# Altium PCB Radio(ESP).PcbDoc (part 2 of 2)
Units mil, origin at the board's own origin, x right, y up, seen from the top; angles counter-clockwise.
Board outline 3937.01 x 1992 mil, 2 copper layers (Top Layer, Bottom Layer); 145 components, 164 nets, 763 pads, 175 vias.
Unrouted connection lines stored in the file: 20.
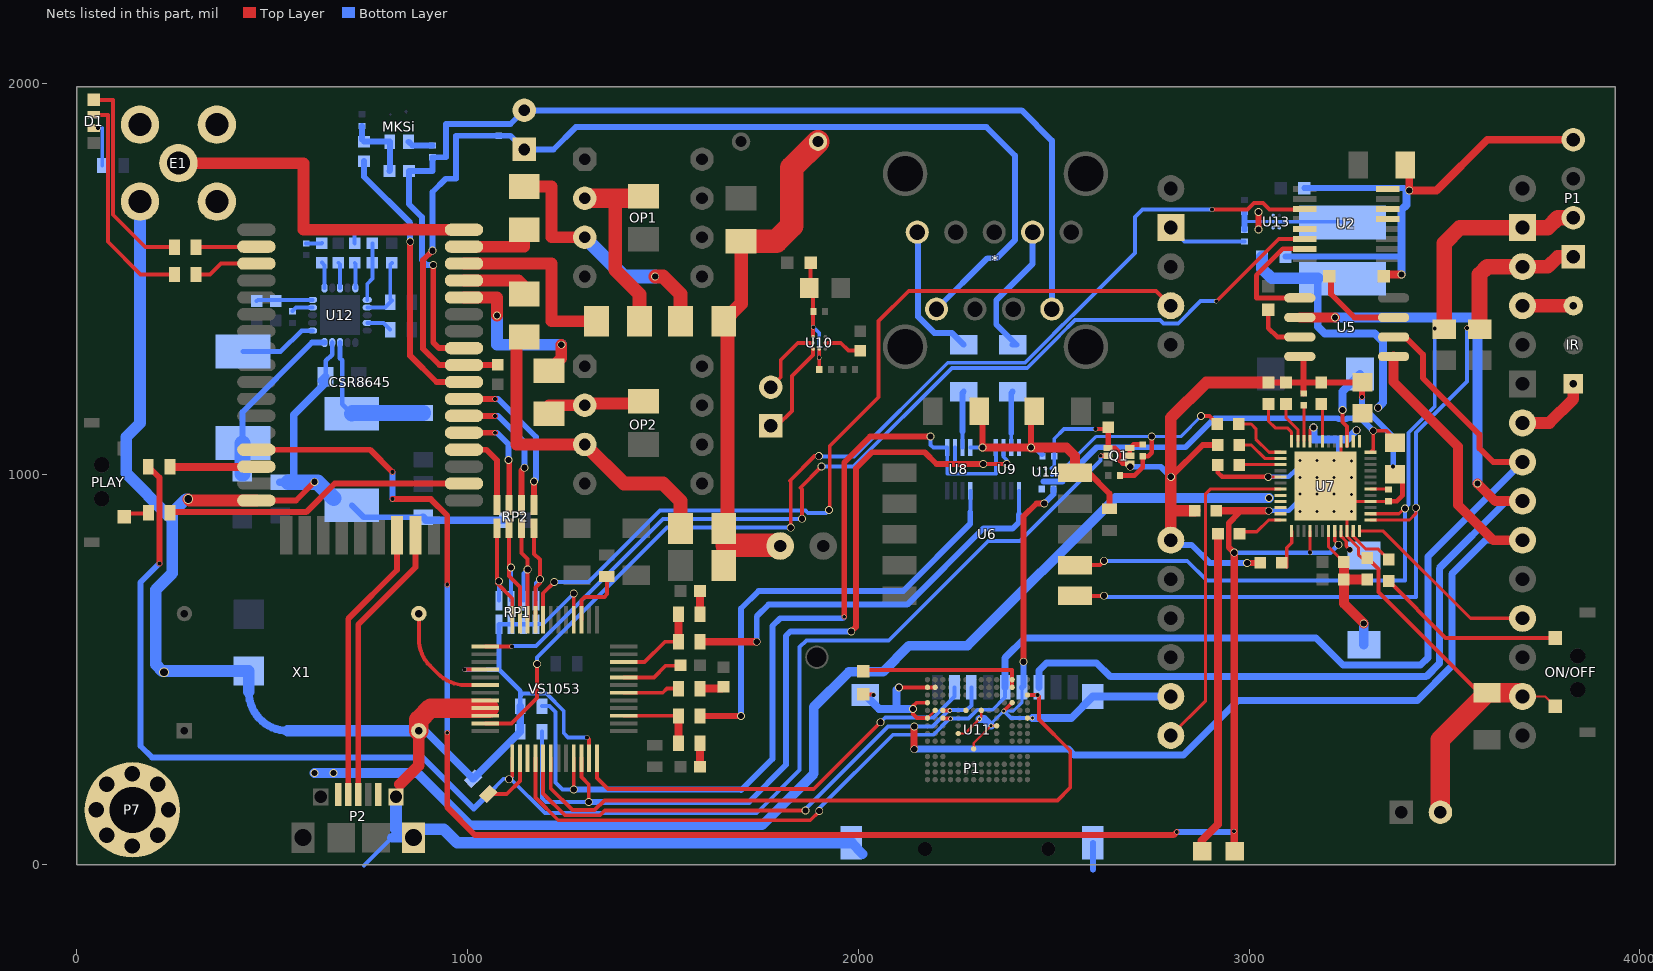
[diagram p2: the nets of this part, all layers, seen from the top]

## Via types
v1: diameter 20, hole 16, Top Layer to Bottom Layer, 108 vias
v2: diameter 12, hole 10, Top Layer to Bottom Layer, 35 vias
v3: diameter 19.68, hole 7.87, Top Layer to Bottom Layer, 20 vias
v4: diameter 12, hole 8, Top Layer to Bottom Layer, 6 vias
v5: diameter 25, hole 20, Top Layer to Bottom Layer, 2 vias
v6: diameter 14, hole 10, Top Layer to Bottom Layer, 1 vias
v7: diameter 16, hole 14, Top Layer to Bottom Layer, 1 vias
v8: diameter 18, hole 15, Top Layer to Bottom Layer, 1 vias
v9: diameter 78.74, hole 78.74, Top Layer to Bottom Layer, 1 vias

## Nets (pads, with @x,y where several pads share a name; then routed paths per layer and width w, separated by ;. In a path a pad name is that pad's centre, name@x,y a point inside that pad or via, vN(x,y) a via of type N, cw(c..) or ccw(c..) an arc to the next point about the centre after c; other vN are vias at no path point) (continued)
GBUF: R36.1 VS1053.42 | length 144.6
  Top Layer w10: VS1053.42@1399.75,440.51 1499.51,440.51 1510,451 R36.1@1540,451
GND: B1.2 C11.1 C14.2 C15.2 C16.1 C17.1 C31.2 C72.1 C73.1 C74.1 C75.1 C76.2 C77.1 C78.1 C79.1 C80.1 Cin1.2 Cout1.2 Cout2.1 CSR8645.17 E1.2 IR.1 L2.2 ON/OFF.1 P1.4@3830,1856 P1.6 P1.G1 P1.G2 P1.G3 P1.G4 P2.0@816.68,173.89 P2.0@861.96,69.56 P2.5 P7.1 pad.2 pad.10 pad.14 pad.17 pad.24 Q1.1 Q1.4 R4.1 R5.1 R6.1 R7.1 R8.1 R30.1 R71.2 R73.1 R74.2 R75.1 R76.2 RP1.1 RP1.2 RP1.3 RP1.4 U2.5 U2.6 U2.8 U5.4 U7.4 U7.16 U7.46 U7.49 U11.A6 U11.C4 U11.E7 U11.G5 U11.H10 U11.J5 U11.K8 U11.N2 U11.N5 U11.P2 U11.P4 U11.P6 U12.19 U13.A2 U14.C1 VS1053.4 VS1053.16 VS1053.20 VS1053.21 VS1053.22 VS1053.35 X1.2 | length 14161.2
  Top Layer w6: U11.P6@2177.05,375.53 U11.N5@2196.73,395.21 ; U11.K8@2255.79,336.16 2272.74,336.16 v4(2310,373.42) 2314.84,378.26 U11.G5@2314.84,395.21 ; U11.H10@2295.16,296.79 2295.16,311.16 v4(2339.84,355.84) U11.E7@2354.21,355.84 ; U11.A6@2432.95,375.53 v4(2445.47,375.53) ; pad.17@3700,431 3758.36,431 ON/OFF.1@3783.68,405.68
  Top Layer w8: U7.16@3235.2,1084.51 3235.2,1008.72 v3(3217.48,991) U7.49@3195.83,969.35 3216.17,949 v3(3217,949) 3217,948.17 U7.49@3235.2,929.98 ; C72.1@3302.97,785.35 3288.65,785.35 3280,794 3280,812.01 3250.94,841.07 U7.46@3250.94,854.19 3250.94,914.23 U7.49@3235.2,929.98 ; R76.2@3356.83,930.73 3356.07,929.98 U7.4@3310.98,929.98 U7.49@3235.2,929.98
  Top Layer w10: v2(992.44,499.56) VS1053.16@1045.41,499.56 ; VS1053.4@1271.79,627.52 v1(1271.79,694.21) ; v2(1306,326) 1311.16,320.84 VS1053.35@1311.16,273.19 ; C11.1@2013,436 v2@2037,436 ; v1(2104,454) 2176.78,454 U11.P2@2177.05,454.27 U11.N2@2196.73,454.27 ; U11.P6@2177.05,375.53 2150.47,375.53 2140,386 v1(2140,399) 2140,406 2148.9,414.9 U11.P4@2177.05,414.9 ; v4(2372.34,393.66) U11.C4@2393.58,414.9 ; v2(2607,1115) 2634.65,1115 R75.1@2639.65,1120 ; C72.1@3302.97,785.35 3331.32,757 3331.32,698.68 3590,440 C15.2@3609,440
  Top Layer w12: Q1.4@2639.39,1066.63 2657.6,1066.63 2668.27,1055.96 2668.27,1035.29 2676.3,1027.26 Q1.1@2694.51,1027.26 ; R76.2@3356.83,930.73 3378.67,930.73 3392.68,944.74 3392.68,990.59 C77.1@3373.3,1009.97
  Top Layer w15: CSR8645.17@459.25,932.59 560.65,932.59 v1(608.23,980.17) ; v1(2423,520) 2423,892 2456,925 v1(2476,925) ; Q1.4@2639.39,1067.73 2639.65,1067.99 R75.1@2639.65,1120 ; v1(2800,993) 2881.51,1074.51 C73.1@2919.83,1074.51 ; v1(2995.19,772.81) R73.1@3028.79,772.81 ; C75.1@3049.83,1234.35 R71.2@3094.83,1234.35 3139.83,1234.35 ; U5.4@3130,1301 3139.83,1291.17 3139.83,1234.35 ; R74.2@3139.83,1206.31 3139.83,1234.35 ; v2(3289,1197) 3289,1234.17 3288.83,1234.35 C76.2@3184.83,1234.35 3139.83,1234.35
  Top Layer w20: R5.1@3345,1506 3350,1511 v1(3390,1511) ; C14.2@3400,1791 3410,1781 v1(3410,1726) 3480,1726 3610,1856 P1.4@3830,1856
  Top Layer w30: v5(285,936) 288.41,932.59 CSR8645.17@459.25,932.59 ; 827,206 875.18,254.18 X1.2@875.18,343 ; pad.10@2800,831 2800,907 ; C74.1@2860.83,906.35 2800.65,906.35 2800,907 ; C75.1@3049.83,1234.35 2890.35,1234.35 2800,1144 v1(2800,993) 2800,907 ; pad.24@3700,1131 3768.9,1131 3830,1192.1 IR.1@3830,1231
  Top Layer w50: X1.2@875.18,343 875.18,371.18 905.14,401.14 VS1053.21@1045.41,401.14 VS1053.21@1056,401.14 ; B1.2@3488.91,133.4 3488.91,319.91 C15.2@3609,440 3691,440 pad.17@3700,431
  Bottom Layer w8: v4@2337.18,358.5 v4(2372.34,393.66) 2396.66,393.66 2419.16,416.16 P1.6@2419.16,454.31
  Bottom Layer w10: 735,-2 806.56,69.56 ; 1135,431 1142,438 1202,438 1246,394 1246,337 1257,326 v2(1306,326) ; RP1.1@1175,616 1193.58,616 v1(1271.79,694.21) ; v4@2373.5,392.5 2390.47,375.53 v4(2445.47,375.53) ; U14.C1@2494.89,1013.93 2501.43,1020.46 C80.1@2501.43,1045.52 2501.43,1090.43 2526,1115 v2(2607,1115) ; pad.2@2800,1631 2835.37,1595.63 R4.1@2988.29,1595.63
  Bottom Layer w12: Cin1.2@637.24,1234.24 637.24,1289.7 653.54,1306 U12.19@653.54,1336.77 ; v2(992.44,499.56) 1080.51,499.56 ; R6.1@1135,406 1135,431 1135,445.08 1080.51,499.56 ; RP1.1@1175,616 RP1.2@1143,616 RP1.3@1111.49,616 RP1.4@1080.51,616 1080.51,499.56
  Bottom Layer w15: L2.2@703.33,920.13 733.84,889.62 Cout2.1@886.2,889.62 ; P1.6@2419.16,454.31 2423,458.15 v1(2423,520) ; v1(2476,925) 2499.46,948.46 C79.1@2499.46,962.1 ; 2600.27,-11.73 P1.G2@2600.27,56.68 ; v1(2696,1019) 2774,1019 v1(2800,993) ; pad.10@2800,831 2812,819 2853,819 2899.19,772.81 v1(2995.19,772.81) ; C16.1@3093.3,1556.69 3387.69,1556.69 3390,1559 ; C17.1@3141.51,1731.92 3397.08,1731.92 v1@3403,1726 ; v2(3289,1197) 3289,1175 3369,1095 v2(3369,1019.22)
  Bottom Layer w20: 440,443 ccw(c540,443) 540,343 ; Cout1.2@520.02,979.11 541.22,979.11 555.08,992.97 555.08,1152.08 Cin1.2@637.24,1234.24 ; Cin1.2@625.89,1239 Cin1.2@636.24,1249.35 ; X1.2@875.18,343 891.54,343 R8.1@1014.11,220.44 1134.67,341 R7.1@1135,341 R6.1@1135,406 ; Cout2.1@886.2,889.62 893.82,882 R30.1@1094,882 ; P1.G4@2017.59,434.63 2053.22,399 2098,399 ; v1(2104,454) 2098,448 2098,399 ; v1(2140,399) 2098,399 ; v4(2310,373.42) 2322.26,373.42 2337.18,358.5 v4(2339.84,355.84) ; v4(2445.47,375.53) 2545.1,375.53 P1.G1@2600.27,430.69 2600.58,431 pad.14@2800,431 ; v1(3390,1511) 3390,1559 3390,1676 3403,1689 3403,1726 v1(3410,1726)
  Bottom Layer w25: 806.56,69.56 P2.0@861.96,69.56 ; P1.G3@1982.16,56.68 2011,27.83
  Bottom Layer w30: E1.2@161.57,1697.57 161.57,1130.57 126,1095 126,1002 235.5,892.5 244,901 ; v5(285,936) 279,936 244,901 ; 440,443 C31.2@440,496 219,496 202,513 202,704 244,746 244,901 ; 540,343 X1.2@875.18,343 ; P2.0@816.68,173.89 816.68,91 939.12,91 973.44,56.68 P1.G3@1982.16,56.68
  Bottom Layer w40: Cout1.2@541.22,979.11 615.89,979.11 L2.2@657,938
  other v2: 2039,435
  other v3: 3130.87,904.39 3174.17,904.39 3217.48,904.39 3262,904 3262,948 3131,949 3174,949 3130.87,991 3174.17,991 3262,991 3262,1034 3131,1035 3174,1035 3217,1035
  other v5: 223,493
GPIO0: R6.2 U8.5 U9.5 VS1053.33 | length 2400
  Top Layer w10: v1(1271.79,192.79) VS1053.33@1271.79,273.19
  Top Layer w15: v2(1964,635) 1964,1030 2030,1096 v1(2185,1096)
  Bottom Layer w10: R6.2@1190.12,406 1210,406 1225,391 1225,211 1243.21,192.79 v1(1271.79,192.79) ; v1(2185,1096) 2185,1074.86 2191.93,1067.93 U8.5@2227.64,1067.93 2227.64,1001 2351.97,1001 U9.5@2351.97,1067.93
  Bottom Layer w15: v1(1271.79,192.79) 1698.21,192.79 1700,191 1780,271 1780,611 1800,631 1960,631 v2(1964,635)
GPIO1: R7.2 U8.6 U9.6 VS1053.34 | length 2458.2
  Top Layer w10: VS1053.34@1291.48,273.19 1291.48,224.52 1310,206 v1(1310,161) ; v1(2320,1026) v1(2380,1026)
  Top Layer w15: v1(1982,597) 1994,609 1994,1015 2035,1056 2170,1056 2200,1026 v1(2320,1026)
  Bottom Layer w10: R7.2@1190.12,341 1190.12,170.88 1200,161 v1(1310,161) ; U8.6@2247.32,1067.93 2247.32,1026 v1(2320,1026) ; U9.6@2371.65,1067.93 2371.65,1044.35 2380,1036 v1(2380,1026)
  Bottom Layer w15: v1(1310,161) 1720,161 1815,256 1815,586 1826,597 v1(1982,597)
GPIO2: RP1.8 RP2.8 VS1053.9 | length 303.7
  Top Layer w10: RP2.8@1170,861 1170,796 1185,781 v1(1185,731) 1185,721 1173.37,709.37 VS1053.9@1173.37,627.52
  Bottom Layer w10: RP1.8@1175,676 1175,721 v1(1185,731)
GPIO3: RP1.7 RP2.7 VS1053.10 | length 324.4
  Top Layer w10: RP2.7@1138,861 1138,798 1153.68,782.32 v1(1153.68,756) VS1053.10@1153.68,627.52
  Bottom Layer w10: RP1.7@1143,676 1143,745.32 v1(1153.68,756)
GPIO5: Q1.5 R8.2 R42.2 VS1053.25 | length 3992.4
  Top Layer w10: v1(1106,219) 1114.31,227.31 VS1053.25@1114.31,273.19
  Top Layer w12: v2(2620.3,1046.94) 2635.77,1046.94 2637.58,1045.13 Q1.5@2639.39,1046.94
  Top Layer w15: R42.2@182.88,1019.22 211,991.1 v2(211,771)
  Bottom Layer w10: R8.2@1053.08,181.46 1091.95,220.33 v1@1110.2,220.33 ; v1@1114.31,224.45 v1@1110.2,220.33 ; v2(2620.3,1046.94) 2620.3,1034.57 2414.33,828.6 2332.6,828.6 2078,574 1867,574 1850,557 1850,242.61 1740.12,132.73 1197.8,132.73 v1@1110.2,220.33
  Bottom Layer w15: v2(211,771) 163,723 163,304 192,275 884.62,275 1015.62,144 R8.2@1053.08,181.46
GPIO6: RP1.6 RP2.6 VS1053.11 | length 337.2
  Top Layer w10: RP2.6@1106,861 v1@1106,766 ; v1(1111,761) v1@1106,766 ; VS1053.11@1134,627.52 1134,711 1106,739 v1@1106,766
  Bottom Layer w10: RP1.6@1111,676 v1(1111,761)
GPIO7: RP1.5 RP2.5 VS1053.12 | length 306.8
  Top Layer w10: RP2.5@1075,861 v1@1075,731 ; v1(1080,726) v1@1075,731 ; VS1053.12@1114.31,627.52 1114.31,681.69 1075,721 v1@1075,731
  Bottom Layer w10: RP1.5@1080,676 v1(1080,726)
IR_Remote: IR.3 pad.27 | length 130
  Top Layer w35: pad.27@3700,1431 IR.3@3830,1431
MIC1_BIA: CSR8645.34 R48.2 | length 712.5
  Top Layer w15: v1(853,1595) 853,1303 920.26,1235.74 CSR8645.34@990.75,1235.74
  Bottom Layer w15: R48.2@735,1801 735,1761 853,1643 v1(853,1595)
MIC1_N: *.4 C7.2 CSR8645.35 MK1.1 R62.1 | length 2792.9
  Top Layer w15: v1(910,1572) 886,1548 886,1321 927.95,1279.05 CSR8645.35@990.75,1279.05 1075.71,1279.05 R62.1@1076.88,1280.22
  Bottom Layer w15: v1(910,1572) 910,1722 944,1756 970,1756 970,1866.04 C7.2@1080,1866.04 1109.96,1866.04 MK1.1@1145,1831 1219.77,1831 1276.89,1888.12 2327.88,1888.12 2400.67,1815.33 2400.67,1598.88 2354.39,1552.61 2330.39,1552.61 *.4@2200.16,1422.38
MIC1_P: *.2 C7.1 C9.2 CSR8645.36 MK1.2 R49.2 | length 2802
  Top Layer w15: v1(912,1535) 912,1337 926.64,1322.36 CSR8645.36@990.75,1322.36
  Bottom Layer w15: v1(912,1535) 896,1535 883,1548 883,1658 850,1691 R49.2@850,1776 910,1776 C9.2@910,1811.04 945,1811.04 945,1895.96 C7.1@1080,1895.96 1109.96,1895.96 MK1.2@1145,1931 2418,1931 2495.43,1853.57 *.2@2495.43,1422.38
MICSi_BIA: C8.2 MKSi.3 R48.1 R49.1 | length 183.4
  Bottom Layer w10: R48.1@730,1856 R48.1@735,1851
  Bottom Layer w15: R48.1@730,1856 C8.2@730,1891.04 ; R48.1@735,1851 800.75,1851 MKSi.3@800.98,1850.76 800.98,1776.98 R49.1@800,1776
MP3_DREQ: pad.4 VS1053.8 | length 2224.9
  Top Layer w10: VS1053.8@1193.05,627.52 1193.05,695.05 v1(1222,724) ; v1(1925,908) 1927,910 1927,1072 2051.76,1196.76 2051.76,1391.76 2129,1469 2762,1469 pad.4@2800,1431
  Bottom Layer w10: v1(1222,724) 1309,724 1492,907 1864.7,907 1870.7,901 1918,901 v1(1925,908)
MP3_XCS: U2.11 VS1053.23 | length 2845.2
  Top Layer w10: VS1053.23@1045.41,361.77 1112.77,361.77 1178,427 v1(1178,514) ; v1(1827,863) 1827,981 1825,983 1888,1046 v1(1899,1046) ; v2@2905,1677 v2(2905.27,1677.49) 2996.49,1677.49 3013,1694 3036,1694 3052.51,1677.49 3140.94,1677.49 U2.11@3142.4,1678.95
  Bottom Layer w10: v1(1178,514) 1178,531 1510,863 v1(1827,863) ; v1(1899,1046) 1900,1045 1989,1045 2229,1285 2427,1285 2501.36,1359.36 2501.36,1359.51 2548.86,1407.01 2549.01,1407.01 2708,1566 2708,1658 2727,1677 v2@2905,1677
MP3_XDCS: U2.14 VS1053.13 | length 2592.5
  Top Layer w10: VS1053.13@1045.41,558.62 v2(1113.4,558.62) ; v1(1856,886) 1856,961.22 1852,965.22 v1(1906,1019.22) ; v1@1906,1019 1906.22,1019.22 v1(1906,1019.22) ; v1@1907,1020.22 v1(1906,1019.22) ; v2(2916.5,1442.5) 3076.18,1602.18 U2.14@3142.4,1602.18
  Bottom Layer w10: v2(1113.4,558.62) 1115.27,560.49 1115,560 1175,560 1500,885 1855,885 v1(1856,886) ; v1@1906,1019 1987,1019 2240,1272 2432.38,1272 2514.36,1353.97 2514.36,1354.12 2554.24,1394.01 2772.64,1394.01 2781.15,1385.5 2818.85,1385.5 2876.34,1442.99 2916.77,1442.99 v2(2916.5,1442.5)
MUTE_AMP: C90.1 C91.1 R91.1 R93.1 U10.A1 U10.C2 | length 319.2
  Top Layer w10: C91.1@1875,1476 1878,1479 R91.1@1878,1541 ; U10.A1@1884.25,1351.75 1884.25,1460.25 C91.1@1890,1466 ; U10.C2@1900,1320.25 v2(1900,1298) R93.1@1900.04,1268 R93.1@1900.04,1268
  Bottom Layer w10: v2(1885.04,1375.88) 1900,1360.92 v2(1900,1298)
Net*_7: *.7 C10.2 | length 358.4
  Bottom Layer w15: C10.2@2395,1331 2405,1331 2353,1383 2353,1445 2446.22,1538.22 *.7@2446.22,1619.23
Net*_8: *.8 C12.2 | length 365.2
  Bottom Layer w15: *.8@2150.94,1619.23 2153.13,1619.23 2153.13,1402.9 2194.43,1361.6 2239.4,1361.6 C12.2@2270,1331
NetC5_1: C5.1 C6.2 R58.2 R59.1 R60.2 R61.1 | length 1325.7
  Top Layer w35: 1665,818 1665,1381.12 R58.2@1655.12,1391 1700,1435.88 R60.2@1700,1595.88
  Top Layer w60: 1665,818 1798,818 C5.1@1800,816 ; R60.2@1700,1595.88 1789.88,1595.88 1830,1636 1830,1784.15 C6.2@1896.85,1851
NetC9_1: C9.1 MKSi.1 | length 65
  Bottom Layer w15: MKSi.1@849.02,1850.76 858.82,1840.96 C9.1@910,1840.96
NetC10_1: C10.1 U9.7 | length 144.6
  Bottom Layer w10: U9.7@2391.34,1067.93 2391.34,1104.66
  Bottom Layer w15: 2391.34,1104.66 2391.34,1207.34 C10.1@2395,1211
NetC11_2: C11.2 U11.C1 U11.C2 | length 426.6
  Top Layer w10: C11.2@2013,496 2016,499 2393.58,499 U11.C1@2393.58,473.95 U11.C2@2393.58,454.27
NetC12_1: C12.1 U8.7 | length 144.3
  Bottom Layer w10: U8.7@2267.01,1067.93 2267.01,1108.99
  Bottom Layer w15: 2267.01,1108.99 2267.01,1208.01 C12.1@2270,1211
NetC18_1: 
NetC18_2: 
NetC19_2: 
NetC22_2: 
NetC23_2: 
NetC24_2: 
NetC26_2: 
NetC27_1: 
NetC27_2: 
NetC28_2: 
NetC30_2: C30.2 VS1053.44 | length 158.1
  Top Layer w10: VS1053.44@1399.75,479.88 1476.63,479.88 1506.38,509.62 1543.62,509.62 C30.2@1545,511
NetC32_2: C32.2 R36.2 | length 62
  Top Layer w20: R36.2@1595.12,451 1650,451 C32.2@1655,456
NetC33_2: C33.2 R37.2 | length 60.1
  Top Layer w20: C33.2@1595.01,250.92 1595.12,251.02 R37.2@1595.12,311
NetC34_2: C34.2 R38.2 | length 60
  Top Layer w20: C34.2@1595,701 1595,641.12 R38.2@1595.12,641
NetC70_1: C70.1 C72.2 L1.1 R72.2 U7.43 | length 388.9
  Top Layer w8: U7.43@3203.7,854.19 3203.7,813.47 3241.83,775.35 R72.2@3242.83,775.35
  Top Layer w25: R72.2@3242.83,775.35 C70.1@3242.83,730.35 ; v1(3293.83,617.35) 3242.83,668.35 C70.1@3242.83,730.35 ; C72.2@3302.97,730.35 C70.1@3242.83,730.35
  Bottom Layer w25: L1.1@3293.83,563.35 v1(3293.83,617.35)
NetC73_2: C73.2 U7.26 | length 120
  Top Layer w8: C73.2@2974.83,1074.51 3005.67,1074.51 3039.96,1040.21 U7.26@3080.67,1040.21
NetC75_2: C75.2 U7.24 | length 137.6
  Top Layer w8: C75.2@3049.83,1179.35 3049.83,1135.35 3066.83,1118.35 3097.83,1118.35 3109.21,1106.96 U7.24@3109.21,1084.51
NetC76_1: C76.1 U7.19 | length 101.1
  Top Layer w8: C76.1@3184.83,1184.35 3187.95,1181.22 U7.19@3187.95,1084.51
NetCc1_1: Cc1.1 RC1.2 | length 40.3
  Bottom Layer w10: Cc1.1@586.85,1590.66 626.55,1590.66 RC1.2@627.01,1591.12
NetCc2_1: Cc2.1 RC2.2 | length 34.5
  Bottom Layer w10: Cc2.1@710.85,1625.09 710.85,1591 RC2.2@711.14,1590.7
NetCVREF_2: CVREF.2 RFB2.1 U12.12 | length 170.6
  Bottom Layer w10: U12.12@743.11,1426.33 788.42,1426.33 CVREF.2@801.77,1439.68 806.22,1444.13 802,1448.35 802,1536.48 RFB2.1@806.22,1540.7
NetCVREG_1: CVREG.1 U12.14 | length 65.9
  Bottom Layer w10: U12.14@743.11,1386.96 784.61,1386.96 CVREG.1@801.89,1369.68
NetD1_2: D1.2 R43.2 | length 106.9
  Bottom Layer w10: v6(54,1886) 64.88,1886 R43.2@64.88,1790
NetD1_3: D1.3 R41.2 | length 566.2
  Top Layer w10: D1.3@43.02,1919.46 79.15,1919.46 79.15,1594.85 163,1511 R41.2@249.88,1511
NetD1_4: D1.4 R40.2 | length 524.2
  Top Layer w10: D1.4@54.02,1957.85 92.15,1957.85 92.15,1663.85 175,1581 R40.2@249.88,1581
NetD3_1: D3.1 L3.2 U12.20 | length 441.9
  Bottom Layer w15: L3.2@423.74,1078.3 423.74,1158.66 601.84,1336.77 U12.20@633.86,1336.77
  Bottom Layer w40: D3.1@423.74,1000.66 L3.2@423.74,1078.3
NetD4_2: D4.2 L2.1 U12.18 | length 379
  Bottom Layer w12: U12.18@673.23,1336.77 673.23,1297.06 679.09,1291.2 679.09,1178.62 L2.1@703.33,1154.39
  Bottom Layer w40: L2.1@703.33,1154.39 705.47,1156.53 D4.2@886.61,1156.53
NetD5_2: 
NetD6_2: 
NetD7_2: 
NetE1_1: CSR8645.43 E1.1 | length 901.6
  Top Layer w30: E1.1@260,1796 580,1796 580,1625.51 839.67,1625.51 840.16,1626 865.84,1626 866.33,1625.51 CSR8645.43@990.75,1625.51
NetJ3_2: 
NetL1_2: L1.2 U7.45 | length 58.5
  Top Layer w8: U7.45@3235.2,854.19 3235.2,839.35 3237.11,839.35 3248.83,827.63 3248.83,815.79 v7(3258.27,806.35)
NetL3_1: L3.1 U12.1 | length 200.2
  Bottom Layer w12: L3.1@425.2,1314.01 521.79,1314.01 575.06,1367.28 U12.1@603.35,1367.28
NetL5_1: L5.1 U7.15 | length 207.8
  Top Layer w10: v1(3239.13,1163.93) 3239.13,1133.72 3250.94,1121.91 U7.15@3250.94,1084.51 U7.15@3250.94,1072
  Bottom Layer w20: v1(3239.13,1163.93) 3239.13,1211.65 L5.1@3283.83,1256.35
NetL6_2: L6.2 U13.B2 | length 163.3
  Bottom Layer w9: U13.B2@3077.41,1646.27 3237.11,1646.27 L6.2@3239.69,1643.7
NetON1_C: ON.C R70.1 | length 836.7
  Top Layer w20: ON.C@2878.42,28 2878.42,61.42 2920.54,103.54 R70.1@2920.54,847.27
NetOP1_2: OP1.2 R52.1 R54.2 | length 495.8
  Top Layer w35: 1377.91,1706 1377.91,1522.5 1440.12,1460.29 R52.1@1440.12,1391
  Top Layer w50: OP1.2@1300,1706 1377.91,1706 R54.2@1455,1706
NetOP1_3: OP1.3 R53.1 R58.1 | length 660.1
  Top Layer w30: R53.1@1145,1736.12 1215,1736.12 1215,1606 OP1.3@1300,1606
  Top Layer w35: v1(1480,1506) 1500,1506 1544.88,1461.12 R58.1@1544.88,1391
  Bottom Layer w35: OP1.3@1300,1606 1400,1506 v1(1480,1506)
NetOP2_2: OP2.2 R55.1 R57.2 | length 289.5
  Top Layer w30: R55.1@1208.54,1154.42 1208.54,1176 OP2.2@1300,1176 ; R57.2@1450,1181 OP2.2@1305,1181 ; OP2.2@1300,1176 cw(c1305,1176) OP2.2@1305,1181 ; OP2.2@1300,1176 cw(c1305,1176) OP2.2@1305,1181 ; OP2.2@1300,1176 cw(c1305,1176) OP2.2@1305,1181 ; OP2.2@1300,1176 cw(c1305,1176) OP2.2@1305,1181
NetOP2_3: OP2.3 R56.1 R59.2 | length 818.2
  Top Layer w30: R56.1@1145,1350.88 1125,1330.88 1125,1076 OP2.3@1285,1076
  Top Layer w35: OP2.3@1300,1076 1400,976 1500,976 1544.88,931.12 R59.2@1544.88,861
NetP1_2: P1.2@2245.94,454.31 VS1053.36 | length 1099.3
  Top Layer w10: VS1053.36@1330.85,273.19 1330.85,222.15 1359,194 1886,194 v1(2057,365)
  Bottom Layer w10: v1(2057,365) 2069,377 2191.96,377 2245.94,430.98 P1.2@2245.94,454.31
NetP2_1: P2.1 U7.32 U7.33 | length 2945.8
  Bottom Layer w25: v1(608,235) 872,235 1006,101 1754,101 1886,233 1886,404 1976,494 2063,494 2130,561 2280,561 2658,939 v1(3051,939)
  other v1: 657,235
NetQ1_2: Q1.2 Q1.3 R79.1 | length 56.8
  Top Layer w12: Q1.2@2694.51,1046.94 Q1.3@2694.51,1066.63 2703.59,1075.71 R79.1@2727.87,1075.71
NetQ4_G: 
NetQ5_G: 
NetR3_1: R3.1 R4.2 U13.B1 | length 119.5
  Bottom Layer w8: 2988.29,1645.9 2988.66,1646.27 U13.B1@3061.66,1646.27
  Bottom Layer w15: R4.2@2988.29,1625.55 2988.29,1645.9 R3.1@2988.27,1671.57
NetR16_1: 
NetR19_2: 
NetR20_2: 
NetR21_2: 
NetR25_2: 
NetR26_2: 
NetR27_2: 
NetR34_1: R34.1 R38.1 VS1053.46 | length 231.7
  Top Layer w10: VS1053.46@1399.75,519.25 1453.25,519.25 1505,571 R34.1@1540,571
  Top Layer w20: R34.1@1540,571 R38.1@1540,641
NetR35_1: R35.1 R37.1 VS1053.39 | length 210.4
  Top Layer w10: VS1053.39@1399.75,381.45 1539.55,381.45 R35.1@1540,381
  Top Layer w20: R37.1@1540,311 R35.1@1540,381
NetR39_2: 
NetR40_1: CSR8645.2 R40.1 | length 154.7
  Top Layer w10: R40.1@305,1581 458.05,1581 CSR8645.2@459.25,1582.2
NetR41_1: CSR8645.3 R41.1 | length 165.8
  Top Layer w10: R41.1@305,1511 341,1511 368.89,1538.89 CSR8645.3@459.25,1538.89
NetR42_1: CSR8645.15 R42.1 | length 221.8
  Top Layer w20: R42.1@238,1018 458.04,1018 CSR8645.15@459.25,1019.21
NetR44_2: 
NetR47_1: PLAY.2 R47.1 | length 65.4
  Top Layer w10: PLAY.2@121.06,890.75 129.31,899 R47.1@183,899
NetR50_2: R50.2 U5.7 | length 234
  Top Layer w15: R50.2@3200,1506 3210,1496 3210,1461 3270,1401 U5.7@3370,1401
NetR51_2: R51.2 U5.3 | length 136.6
  Top Layer w12: R51.2@3049.58,1420.36 3049.58,1373.42 3072,1351 U5.3@3130,1351
NetR70_2: R70.2 U7.36 | length 117.4
  Top Layer w8: R70.2@2975.83,852.35 3019.83,852.35 3050.21,882.73 U7.36@3080.67,882.73
NetR71_1: R71.1 U7.23 | length 107.3
  Top Layer w8: R71.1@3094.83,1179.35 3094.83,1144.35 3124.96,1114.21 U7.23@3124.96,1084.51
NetR73_2: R73.2 U7.37 | length 97.5
  Top Layer w9: R73.2@3096.19,762.07 3096.19,811.65 3109.21,824.67 U7.37@3109.21,854.19
NetR74_1: R74.1 U7.22 | length 92.2
  Top Layer w8: R74.1@3139.83,1176.39 3140.71,1175.5 U7.22@3140.71,1084.51
NetR76_1: R76.1 U7.6 | length 46.2
  Top Layer w8: U7.6@3310.98,961.47 3356.01,961.47 R76.1@3356.83,960.65
NetR77_1: R77.1 U7.47 | length 129.1
  Top Layer w8: U7.47@3266.69,854.19 3266.69,840.88 3299.57,808 3331.17,808 R77.1@3357.83,781.35
NetR77_2: ON/OFF.2 R77.2 | length 486.1
  Top Layer w10: R77.2@3357.83,726.35 3503.3,580.87 ON/OFF.2@3783.68,580.87
NetR78_2: R78.2 R79.2 R80.2 U14.C2 | length 659.1
  Top Layer w10: v1(2877.15,1148.85) 2898.41,1148.85 R78.2@2919.01,1128.25
  Top Layer w12: R80.2@2669.58,996.63 2707.36,996.63 2727.87,1017.14 R79.2@2727.87,1045.79 2741.76,1045.79 2750.94,1054.98 2750.94,1095.94 v1(2751,1096)
  Bottom Layer w8: U14.C2@2494.89,998.18 2510.09,998.18 2607.91,1096 v1(2751,1096) 2825.43,1096 2877.15,1147.72 v1(2877.15,1148.85)
NetR81_1: R81.1 U7.27 | length 106.3
  Top Layer w8: R81.1@2974.83,1023.35 2975.94,1024.47 U7.27@3080.67,1024.47
NetR92_1: R92.1 U10.B3 | length 97.5
  Top Layer w10: U10.B3@1915.75,1336 1955,1336 1975,1316 R92.1@2005,1316
NetRC1_1: RC1.1 U12.6 | length 67.4
  Bottom Layer w10: RC1.1@627.01,1541.12 633.86,1534.27 U12.6@633.86,1476.53
NetRC2_1: RC2.1 U12.10 | length 65.5
  Bottom Layer w10: RC2.1@711.14,1540.7 713.5,1538.35 713.5,1477.43 U12.10@712.6,1476.53
NetRFB1_2: RFB1.2 RFT1.1 U12.5 | length 144.3
  Bottom Layer w10: RFT1.1@460.14,1443.32 462.83,1446.02 U12.5@603.35,1446.02
NetRFB2_2: RFB2.2 RFT2.1 U12.11 | length 150.1
  Bottom Layer w10: U12.11@743.11,1446.02 743.11,1487.1 756.22,1500.21 RFB2.2@756.22,1540.7 RFT2.1@756.22,1590.7
NetRP2_1: CSR8645.33 RP2.1 | length 400.9
  Top Layer w15: CSR8645.33@990.75,1192.44 v2(1069.82,1192.44) ; RP2.1@1170,921 v1(1170,981)
  Bottom Layer w15: v2(1069.82,1192.44) 1075,1192.62 1077.65,1192.62 1175,1095.27 1175,986 v1(1170,981)
NetRP2_2: CSR8645.32 RP2.2 | length 346.4
  Top Layer w15: CSR8645.32@990.75,1149.13 v2(1069.82,1149.13) ; RP2.2@1138,921 1138,1009 v1(1145.48,1016.48)
  Bottom Layer w15: v2(1069.82,1149.13) 1075,1149.31 1077.65,1149.31 1145.48,1081.48 v1(1145.48,1016.48)
NetRP2_3: CSR8645.31 RP2.3 | length 282.3
  Top Layer w15: CSR8645.31@990.75,1105.82 v2(1069.82,1105.82) ; RP2.3@1106.49,921 v1@1106.49,1034.51
  Bottom Layer w15: v2(1069.82,1105.82) 1075,1106 1105,1076 v1(1105,1036) v1@1106.49,1034.51
NetRP2_4: CSR8645.30 RP2.4 | length 210.4
  Top Layer w15: CSR8645.30@990.75,1062.52 1048.48,1062.52 1075.51,1035.49 RP2.4@1075.51,921
NetRslew_1: Rslew.1 U12.4 | length 55.6
  Bottom Layer w10: Rslew.1@551.61,1417.05 560.9,1426.33 U12.4@603.35,1426.33
NetRss_1: Rss.1 U12.8 | length 66.2
  Bottom Layer w10: Rss.1@669.29,1541.1 673.23,1537.16 U12.8@673.23,1476.53
NetU1_15: pad.15 U7.31 | length 852.3
  Top Layer w8: pad.15@2800,331 2889,420 2889,949.95 2900.53,961.47 U7.31@3080.67,961.47
NetU1_19: pad.19 U7.48 | length 510
  Top Layer w8: U7.48@3282.44,854.19 3343.81,854.19 3567,631 pad.19@3700,631
NetU3_18: VS1053.18 X1.3 | length 456
  Top Layer w10: X1.3@875.18,643 875.18,579.24 ; VS1053.18@1045.41,460.19 994.23,460.19 ; 875.18,579.24 ccw(c975.18,579.24) 904.47,508.53 ; 875.18,579.24 ccw(c975.18,579.24) 904.47,508.53 ; 904.47,508.53 923.52,489.48 ; 923.52,489.48 ccw(c994.23,560.19) 994.23,460.19 ; 923.52,489.48 ccw(c994.23,560.19) 994.23,460.19
NONE: U2.13
OUT_N: J2.1 U10.C1 | length 250.5
  Top Layer w10: J2.1@1776,1124 1792,1124 1830,1162 1830,1251 1884.25,1305.25 U10.C1@1884.25,1320.25
OUT_P: J2.2 U10.B1 | length 181.4
  Top Layer w10: J2.2@1776,1222.42 1801.58,1248 1801.58,1292.58 1845,1336 U10.B1@1884.25,1336
PG_OK: R78.1 U7.25 | length 152.2
  Top Layer w8: R78.1@2974.01,1128.25 3005.43,1128.25 3017.68,1116 3017.68,1089.43 3051.14,1055.96 U7.25@3080.67,1055.96
PP: CSR8645.28 R47.2 | length 782.9
  Top Layer w15: R47.2@238.12,902.76 586.76,902.76 659.9,975.9 CSR8645.28@990.75,975.9
PSOUT: C16.2 C74.2 C78.2 CSR8645.14 L6.1 ON.A R81.2 U7.13 U7.14 U7.21 U7.29 U7.34 U7.35 U7.40 U7.44 U13.A1 U13.C1 | length 6438.6
  Top Layer w8: v1(3049.2,992.97) U7.29@3080.67,992.97 ; v2@3156.46,796.98 v2(3156.46,799) U7.40@3156.46,854.19 ; U7.21@3156.46,1084.51 3156.46,1113.98 3161.48,1119 v1(3165,1119) ; U7.44@3219.45,854.19 3219.45,828.73 v1(3228.83,819.35)
  Top Layer w12: R81.2@2919.83,1023.35 2919.83,1004.17 2931.03,992.97 v1(3049.2,992.97)
  Top Layer w15: CSR8645.14@459.25,1062.52 750.48,1062.52 v2(808,1005) ; v2(808,936) 906,936 948,894 v2(948,717) ; v2(948,338) 948,147 1019,76 2807,76 v2(2815,84) ; v1(2962,799) 2948,813 2948,874.52 2975.83,902.35 ; v1(3024,1671) 3024,1626.49 v1(3024.27,1626.22)
  Top Layer w20: C74.2@2915.83,902.35 2919.83,906.35 v1(3050.7,906.35) ; ON.A@2962,25 v2(2962,86) v1(2962,799)
  Bottom Layer w12: v1(2962,799) v2(3156.46,799) 3208.48,799 v1(3228.83,819.35) ; v1(3049.2,992.97) 3101.94,992.97 3121.82,1012.84 3237.17,1012.84 ; v1(3050.7,906.35) 3101.94,906.35 3121.82,926.23 3237.55,926.23 3239.32,928 3239.32,1043.57 3228.83,1054.06 3228.83,1087.17 3230,1088.35
  Bottom Layer w15: v2(808,936) v2(808,1005) ; v2@948,339 v2(948,717) ; v2(2815,84) v2@2963,84
  Bottom Layer w20: v1(3165,1119) 3165,1088.35 3230,1088.35 3250.83,1088.35 v1(3274.83,1112.35) ; L6.1@3176,1501 3176,1378 3194,1360 3322,1360 3343,1339 3343,1183 v1(3330,1170)
  Bottom Layer w30: C16.2@3033.3,1556.69 3033.3,1525.7 3058,1501 L6.1@3176,1501
Radio: C1.1 C2.1 C80.2 R9.2 U6.5 U8.8 U9.8 U14.A1 U14.B1 | length 731.1
  Top Layer w15: C1.1@2310,1161 2318.07,1152.93 v1(2318.07,1067.93) ; v1(2441.93,1067.93) 2441.93,1152.93 C2.1@2450,1161 ; U6.5@2554.41,1003.48 2589.52,1003.48 2643,950 R9.2@2643,908.12
  Top Layer w20: v1(2318.07,1067.93) v1(2441.93,1067.93)
  Top Layer w25: v1(2441.93,1067.93) 2533.07,1067.93 2554.41,1046.59 U6.5@2554.41,1003.48
  Bottom Layer w10: U8.8@2286.69,1067.93 v1(2318.07,1067.93) ; U9.8@2411.02,1067.93 v1(2441.93,1067.93)
  Bottom Layer w15: v1(2441.93,1067.93) 2453.07,1067.93 C80.2@2470,1051
RAM_CS: U2.15 U5.1 | length 320.4
  Top Layer w12: U5.1@3130,1451 3019,1451 3019,1509 3086.59,1576.59 U2.15@3142.4,1576.59
Rdo_P: C77.2 C79.2 U7.12 U14.A2 U14.B2 | length 1047.7
  Top Layer w10: U7.12@3310.98,1055.96 3317.87,1062.85 v1(3317.87,1111) 3352.27,1111 C77.2@3373.3,1089.97
  Bottom Layer w15: 2474.37,981.16 2522.6,981.16 2610.2,1068.76 2837.56,1068.76 2911.65,1142.85 3226.99,1142.85 3229.4,1140.43 3248.87,1140.43 3251.28,1142.85 3286.03,1142.85 v1(3317.87,1111)
SCL: P1.2@3830,1656 pad.29 R2.1 U6.2 U7.2 | length 2216.8
  Top Layer w8: U7.2@3310.98,898.48 3383.82,898.48 3397.34,912 v1(3399,912)
  Top Layer w10: U6.2@2554.41,767.26 2618.26,767.26 v1(2629,778)
  Top Layer w40: R2.1@3500,1371 3500,1591 3540,1631 pad.29@3700,1631 3765,1631 3790,1656 P1.2@3830,1656
  Bottom Layer w10: v1(2629,778) 2842,778 2892,728 3399,728 v1(3399,912) 3408.5,921.5 3408.5,1105.88 3475.35,1172.74 v2(3475.35,1372.89)
SDA: P1.1@3830,1556 pad.28 R1.1 U6.1 U7.1 | length 2185.7
  Top Layer w8: U7.1@3310.98,882.73 3410.73,882.73 3427,899 v1(3427,914)
  Top Layer w10: U6.1@2554.41,688.52 v1(2628.98,688.52)
  Top Layer w12: v2(3558.03,1373.87) 3587.13,1373.87 R1.1@3590,1371
  Top Layer w35: pad.28@3700,1531 3765,1531 3790,1556 P1.1@3830,1556
  Top Layer w40: R1.1@3590,1371 3590,1511 3610,1531 pad.28@3700,1531
  Bottom Layer w10: v1(2628.98,688.52) 2632,685.5 3426.5,685.5 3427,686 v1(3427,914) 3427,1106 3558.03,1237.03 v2(3558.03,1373.87)
SPI_CLK: P1.5 pad.23 U5.6 U11.M6 VS1053.28 | length 3840.6
  Top Layer w10: VS1053.28@1173.37,273.19 1173.37,172.63 1232,114 1877,114 1900,137 v1(1900,138) ; U11.M6@2216.42,375.53 2217.95,374 v4(2236,374)
  Top Layer w15: U5.6@3370,1351 3400,1351 3445,1306 3445,1246 3590,1101 3590,1066 3625,1031 pad.23@3700,1031
  Bottom Layer w10: v1@1896.85,141.15 2088.7,333 2192,333 2233,374 v4(2236,374) 2282,374 2305,397 2344,397 2375.86,428.86 P1.5@2375.86,454.31
  Bottom Layer w18: P1.5@2375.86,454.31 2375.86,529.86 2426.5,580.5 3171.5,580.5 3241,511 3439,511 3458,530 3458,789 pad.23@3700,1031
SPI_MISO: P1.7 pad.22 U5.2 U11.A3 VS1053.30 | length 4398
  Top Layer w10: VS1053.30@1212.74,273.19 1212.74,195.26 1268,140 1325,140 1350,165 2509.82,165 2542.49,197.67 2542.49,292.02 2462.47,372.04 2462.47,430.69 v2(2458.58,434.58) U11.A3@2432.95,434.58
  Top Layer w25: U5.2@3130,1401 v1(3220,1401) ; v1(3585,976) 3630,931 pad.22@3700,931
  Bottom Layer w18: P1.7@2462.47,454.31 2462.47,497.47 2482,517 2610,517 2645.5,481.5 3453.5,481.5 3487,515 3487,759 3659,931 pad.22@3700,931
  Bottom Layer w25: v1(3220,1401) 3585,1401 v1(3585,976)
SPI_MOSI: P1.3@2289.24,454.31 pad.21 U5.5 U11.M5 VS1053.29 | length 4030.3
  Top Layer w10: VS1053.29@1193.05,273.19 1193.05,182.95 1249,127 1339,127 1351,139 v1(1865,139) ; U11.M5@2216.42,395.21 v4(2234.21,395.21)
  Top Layer w18: v1(2142.98,296.02) v1(2143,354)
  Top Layer w25: U5.5@3370,1301 3370,1236 3535,1071 3535,921 3625,831 pad.21@3700,831
  Bottom Layer w10: v1(1865,139) 1865,143 2076,354 v1(2143,354) 2190.37,354 2232.37,396 v4@2235,396 ; v4(2234.21,395.21) v4@2235,396 ; P1.3@2289.24,454.31 2289.24,408.24 2277,396 v4@2235,396
  Bottom Layer w18: v1(2142.98,296.02) 2537.7,296.02 2552.22,281.5 2832.5,281.5 2972,421 3431,421 3519,509 3519,744 3606,831 pad.21@3700,831
SPK_L_N: CSR8645.41 R52.2 | length 487
  Top Layer w30: CSR8645.41@990.75,1538.89 1215,1538.89 1215,1391 R52.2@1329.88,1391
SPK_L_P: CSR8645.42 R53.2 | length 197.9
  Top Layer w30: CSR8645.42@990.75,1582.2 1145,1582.2 R53.2@1145,1625.88
SPK_R_N: CSR8645.39 R55.2 | length 449.9
  Top Layer w30: CSR8645.39@990.75,1452.28 1075,1452.28 v1(1075,1406) ; R55.2@1208.54,1264.65 1240,1296.12 v1(1240,1331)
  Bottom Layer w30: v1(1075,1406) 1075,1331 v1(1240,1331)
SPK_R_P: CSR8645.40 R56.2 | length 180.2
  Top Layer w30: CSR8645.40@990.75,1495.59 1130.41,1495.59 1145,1481 R56.2@1145,1461.12
SYSTEM: 
USB_N: CSR8645.24 P2.2 | length 716
  Top Layer w15: P2.2@694.64,179.8 694.64,629.64 819.49,754.49 CSR8645.24@819.49,844.05
USB_P: CSR8645.25 P2.3 | length 724.9
  Top Layer w15: P2.3@720.23,179.8 720.23,615.23 866.73,761.73 CSR8645.25@866.73,844.05
VBAT: 
VREF: 
VS_L: R34.2 U9.1 | length 1061
  Top Layer w20: R34.2@1595.12,571 v1(1740,571)
  Bottom Layer w10: 2411.02,897.02 U9.1@2411.02,957.3
  Bottom Layer w15: v1(1740,571) 1740,636 1770,666 2125,666 2320,861 2395,861 2411.02,877.02 2411.02,897.02
VS_R: R35.2 U8.1 | length 1140.9
  Top Layer w15: R35.2@1595.12,381 v1(1700,381)
  Bottom Layer w10: 2286.69,902.69 U8.1@2286.69,957.3
  Bottom Layer w15: v1(1700,381) 1700,656 1745,701 2115,701 2286.69,872.69 2286.69,902.69
VS_RST: R32.1 VS1053.3 | length 168.2
  Top Layer w10: VS1053.3@1291.48,627.52 1291.48,677.48 1300,686 1350,686 1357,693 1357,728 R32.1@1365,736
VS_RX: R33.1 VS1053.26 | length 153.5
  Top Layer w10: R33.1@1052.68,181.25 1100.25,181.25 1134,215 VS1053.26@1134,273.19
VS_TX: VS1053.27
pads on no net: *.3 *.5 CSR8645.1 CSR8645.4 CSR8645.5 CSR8645.6 CSR8645.7 CSR8645.8 CSR8645.9 CSR8645.10 CSR8645.11 CSR8645.12 CSR8645.13 CSR8645.16 CSR8645.18 CSR8645.19 CSR8645.20 CSR8645.21 CSR8645.22 CSR8645.23 CSR8645.26 CSR8645.27 CSR8645.29 CSR8645.37 CSR8645.38 ON/OFF. ON/OFF.3 ON/OFF.4 OP1.1 OP1.5 OP1.8 OP2.1 OP2.5 OP2.8 P1.1@2202.63,454.31 P1.8 P1.None P2.0@578.5,69.56 P2.0@623.77,173.89 P2.0@676.92,69.56 P2.0@765.5,69.56 P2.4 PLAY. PLAY.3 PLAY.4 R43.1 U2.7 U2.9 U2.10 U6.3 U6.4 U6.9 U7.3 U7.5 U7.7 U7.8 U7.9 U7.10 U7.18 U7.20 U7.28 U7.30 U10.B2 U11.A1 U11.A2 U11.A4 U11.A5 U11.A7 U11.A8 U11.A9 U11.A10 U11.A11 U11.A12 U11.A13 U11.A14 U11.B3 U11.B4 U11.B5 U11.B6 U11.B7 U11.B8 U11.B9 U11.B10 U11.B11 U11.B12 U11.B13 U11.B14 U11.C3 U11.C5 U11.C7 U11.C8 U11.C9 U11.C10 U11.C11 U11.C12 U11.C13 U11.C14 U11.D1 U11.D2 U11.D3 U11.D4 U11.D12 U11.D13 U11.D14 U11.E1 U11.E2 U11.E3 U11.E5 U11.E8 U11.E9 U11.E10 U11.E12 U11.E13 U11.E14 U11.F1 U11.F2 U11.F3 U11.F10 U11.F12 U11.F13 U11.F14 U11.G1 U11.G2 U11.G3 U11.G10 U11.G12 U11.G13 U11.G14 U11.H1 U11.H2 U11.H3 U11.H5 U11.H12 U11.H13 U11.H14 U11.J1 U11.J2 U11.J3 U11.J12 U11.J13 U11.J14 U11.K1 U11.K2 U11.K3 U11.K5 U11.K6 U11.K7 U11.K10 U11.K12 U11.K13 U11.K14 U11.L1 U11.L2 U11.L3 U11.L12 U11.L13 U11.L14 U11.M1 U11.M2 U11.M3 U11.M7 U11.M8 U11.M9 U11.M10 U11.M11 U11.M12 U11.M13 U11.M14 U11.N1 U11.N3 U11.N6 U11.N7 U11.N8 U11.N9 U11.N10 U11.N11 U11.N12 U11.N13 U11.N14 U11.P1 U11.P7 U11.P8 U11.P9 U11.P10 U11.P11 U11.P12 U11.P13 U11.P14 U12.3 VS1053.1 VS1053.2 VS1053.15 VS1053.17 VS1053.48 X1.1
copper on no net: | length 42
  Bottom Layer w10: 120,1790 162,1790
  other v9: 2347.8,1768.83

## Polygon pours and split planes (outlines as drawn)
AGND on Top Layer "Top Layer-AGND 1" (solid, remove dead copper, pour order 18): 2051.76,1391.76 2052.51,1391 2639.39,1391 2639.39,616 2051.76,616
GND on Top Layer "Top Layer-GND 1" (solid, remove dead copper, pour order 16): 177,738 179,740 976,740 976,238 177,238 176,239
GND on Top Layer "Top Layer-GND 2" (solid, remove dead copper, pour order 14): 760,230 873,230 873,143 760,143
NetP2_1 on Top Layer "Top Layer-NetP2_1" (solid, remove dead copper, pour order 10): 680,203 680,261 585,261 585,210 656,210 656,203
AGND on Top Layer "Top Layer-AGND" (solid, remove dead copper, pour order 8): 1365,424.87 1365,397 1470.9,397 1471.1,425.14
no net on Top Layer "Top Layer-No Net 1" (solid, remove dead copper, pour order 6): 3314.92,1178.99
no net on Top Layer "Top Layer-No Net" (solid, remove dead copper, pour order 4): 3184.83,771.35
GND on Top Layer "Top Layer-GND" (solid, remove dead copper, pour order 0): 3320,1736 3425,1736 3425,1641 3320,1641
GND on Bottom Layer "Bottom Layer-GND" (solid, remove dead copper, pour order 12): 789,213 864,213 989,88 989,40.93 790,40.93

## Keep-outs
Bottom Layer:
  lines w2: 81,-1 696,-1

## Other copper
Top Layer:
  rectangle net NetP2_1: 3035,926 3088,950
  rectangle net PSOUT: 3313.92,1161 3341,1177.99
  rectangle net BAT: 3174.83,728.35 3202.83,769.35
  region net PSOUT: 3286.83,1178.99 3262.83,1178.99 3262.83,1068.35 3286.83,1068.35
  region net PSOUT: 3098.83,919.35 3034.83,919.35 3034.83,893.35 3098.83,893.35
  region net BAT: 3144.83,870.35 3120.83,870.35 3120.83,826.35 3144.83,826.35
  pour cut-out: 2472.93,1214.76 2481,1214.76 2481,1083 2305,1083 2305,1202 2279,1202 2279,1215
  pour cut-out: 2505.1,1048.05 2505.1,895.22 2631,895.22 2631,1047.95
Bottom Layer:
  rectangle net NetP2_1: 585,210 680,261
  region net PSOUT: 3048.88,1540.58 3048.88,1636 3016,1636 3016,1540.58
  region net GND: 3073.25,1635.7 3073.25,1540.59 3085.25,1540.59 3085.25,1635.7
  region net PSOUT: 3066.54,1657.27 3066.54,1671.27 3009.54,1671.27 3009.54,1657.27
  region net +5: 3084.54,1657.27 3084.54,1746.27 3072.54,1746.27 3072.54,1657.27
  region net PSOUT: 3039.54,1670.51 3039.54,1686.27 3009.54,1686.27 3009.54,1670.51
  region net PSOUT: 3066.53,1621.27 3066.53,1635.27 3017.38,1635.27 3017.38,1621.27
  rectangle net Rdo_P: 2462,954 2480,1001
  rectangle net Radio: 2462,1011.93 2480,1053

## Silkscreen, mask and mechanical layers (free items; w line width, h text height)
Top Overlay:
  pour cut-out: 2047.13,574.35 2562.87,574.35 2562.87,117.65 2047.13,117.65
  lines w5: 2128,-7.88 3936,-2.89
  lines w10: 2740,271 3760,271 3760,1791 2740,1791 2740,271
  text "SCL" at 3505,1599 h100
  text "SDA" at 3500,1501 h100
  text "SPI" at 3573,893 h60 r45
Bottom Overlay:
  text "D0" at 3648,1767.99 h60 r180
  text "A0" at 3048,1688.01 h60
  text "D1" at 3641,1588.01 h60
  text "D2" at 3641,1488.01 h60
  text "SD3" at 3048,1388.01 h60
  text "D3" at 3641,1388.01 h60
  text "SD2" at 3048,1288.01 h60
  text "D4" at 3641,1288.01 h60
  text "3v3" at 3642,1178.01 h60
  text "CLK" at 3883,1102 h60 r45
  text "GND" at 3647,1083.01 h60
  text "MISO" at 3883,1001 h60 r45
  text "D5" at 3612,983.01 h60
  text "D6" at 3612,888.01 h60
  text "MOSI" at 3880,885 h60 r45
  text "GND" at 3058,791.01 h60
  text "D7" at 3612,783.01 h60
  text "3v3" at 3058,691.01 h60
  text "D8" at 3612,683.01 h60
  text "EN" at 3058,591.01 h60
  text "Rx" at 3612,588.01 h60
  text "Tx" at 3612,493.01 h60
  text "RST" at 3058,491.01 h60
  text "GND" at 3058,391.01 h60
  text "GND" at 3652,388.01 h60
  text "3v3" at 3652,293.01 h60
  text "Vin" at 3058,291.01 h60
Mechanical 1:
  the board outline again, w2
Drill Drawing:
  lines w5: 81,-1 696.46,-1 ; 773,-1 1989,-1

## Dimensions
-65,1966 to -65,-4 on Top Layer

## Text inside footprints (layer, text, board x,y; h text height)
J2: Top Overlay "1" at 1838.99,1020.06 h51.18 r90
X1: Top Overlay "GND" at 825.18,263 h60; Top Overlay "OUT" at 825.18,568 h60; Top Overlay "Oscillator" at 315.18,177 h60